# Altium PCB erb-pcb0005.PcbDoc (part 2 of 2)
Units mm, origin at the board's own origin, x right, y up, seen from the top; angles counter-clockwise.
Board outline 100 x 66.5 mm, 4 copper layers (Top Layer, Mid-Layer 1, Mid-Layer 2, Bottom Layer), stack 1.564 mm thick; 134 components, 81 nets, 741 pads, 81 vias.
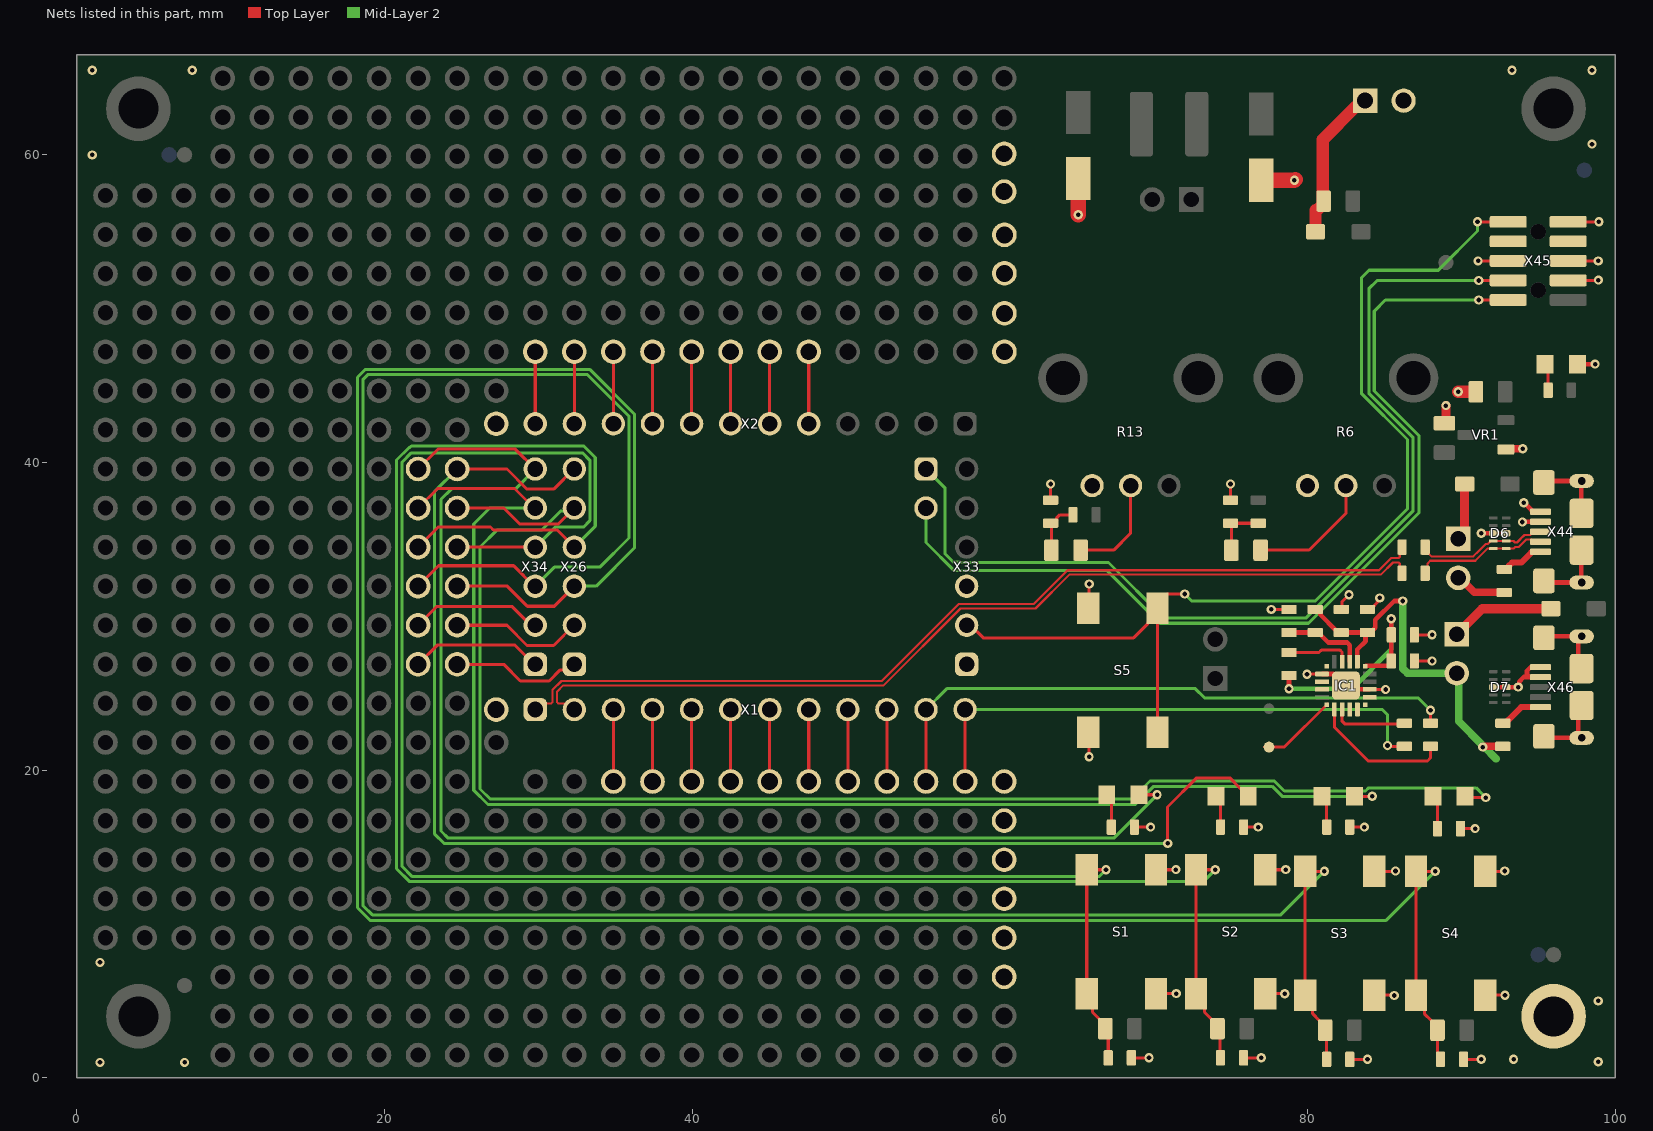
[diagram p4: the nets of this part, all layers, seen from the top]

## Via types
v1: diameter 0.6, hole 0.3, Top Layer to Bottom Layer, 81 vias

## Nets (pads, with @x,y where several pads share a name; then routed paths per layer and width w, separated by ;. In a path a pad name is that pad's centre, name@x,y a point inside that pad or via, vN(x,y) a via of type N, cw(c..) or ccw(c..) an arc to the next point about the centre after c; other vN are vias at no path point) (continued)
GND: C1.2 C2.2 C3.2 C4.2 C5.2 C6.2 C7.2 C8.2 C9.2 C10.2 C11.1 C12.1 C13.1 C14.1 D5.K D6.3 D6.8 D7.3 D7.8 IC1.3 IC1.12 IC1.21 pad.6@96,4 R3.1 R4.1 R6.1 R7.1 R9.1 R13.1 R16.2 S1.3 S1.4 S2.3 S2.4 S3.3 S3.4 S4.3 S4.4 S5.3 S5.4 VR1.1 X33.1 X33.3 X44.4 X44.5 X44.6@95.375,32.3 X44.6@95.375,38.7 X44.6@97.825,32.2 X44.6@97.825,34.3 X44.6@97.825,36.7 X44.6@97.825,38.8 X45.3 X45.5 X45.9 X46.4 X46.5 X46.6@95.375,22.2 X46.6@95.375,28.6 X46.6@97.825,22.1 X46.6@97.825,24.2 X46.6@97.825,26.6 X46.6@97.825,28.7 X47.2 X52.1 X53.1 X54.1 X55.1 X56.1 X57.1 X58.1 X59.1 X60.1 X61.1 X62.1 X63.1 X64.1 X65.1 | length 76
  Top Layer w0.2: C7.2@63.3,37.55 v1(63.3,38.6) ; S5.4@65.8,22.1 65.8,20.874 v1(65.803,20.872) ; S5.3@65.8,30.9 65.8,32.092 v1(65.81,32.102) ; C1.2@68.55,1.3 v1(69.7,1.3) ; R3.1@68.95,16.3 v1(69.8,16.3) ; S1.3@70.15,5.475 71.471,5.475 v1(71.472,5.474) ; S1.4@70.15,13.525 71.435,13.525 v1(71.448,13.538) ; C3.2@75,37.55 v1(75,38.6) ; C2.2@75.85,1.3 v1(77,1.3) ; R4.1@76.05,16.3 v1(76.8,16.3) ; S2.3@77.25,5.475 78.509,5.475 v1(78.517,5.466) ; S2.4@77.25,13.525 78.576,13.525 v1(78.587,13.536) ; v1(77.65,30.45) R16.2@78.8,30.45 ; v1@80.021,26.238 80.025,26.243 IC1.12@80.943,26.243 ; C14.1@82.2,30.45 82.233,30.483 82.233,30.933 v1(82.7,31.4) ; C4.2@82.75,1.2 v1(83.9,1.2) ; R7.1@82.95,16.3 v1(83.7,16.3) ; C13.1@83.9,30.45 84.1,30.45 84.3,30.65 84.3,30.66 84.478,30.838 84.546,30.906 84.546,30.938 84.7,31.092 v1(84.7,31.2) ; IC1.3@84.16,25.24 v1(85.078,25.24) ; S3.3@84.35,5.375 85.615,5.375 v1(85.635,5.354) ; S3.4@84.35,13.425 85.704,13.425 v1(85.723,13.444) ; C11.1@86.95,27.1 v1(88.1,27.1) ; C12.1@86.95,28.8 v1(88.1,28.8) ; R9.1@89.95,16.2 v1(90.9,16.2) ; C8.2@90.15,1.2 v1(91.3,1.2) ; S4.3@91.55,5.375 92.828,5.375 v1(92.841,5.362) ; S4.4@91.55,13.425 92.807,13.425 v1(92.826,13.444) ; X45.3@96.95,51.835 98.89,51.835 v1(98.913,51.858) ; X45.5@96.95,53.105 v1(98.905,53.105) ; X45.9@96.95,55.645 v1(98.945,55.645)
  Top Layer w0.3: IC1.12@80.95,26.25 81.316,26.25 81.317,26.251 81.708,26.251 82.409,25.55 IC1.21@82.55,25.55 ; IC1.21@82.5,25.5 82.749,25.251 83.749,25.251 IC1.3@84.05,25.25 ; v1(91.3,35.4) D6.3@92.915,35.4 ; D7.3@92.07,25.4 D7.3@92.085,25.4 D7.8@92.915,25.4 v1(93.7,25.4) 93.757,25.457 93.757,25.745 94.071,26.059 94.441,26.059 ; v1(93.975,36.133) 93.992,36.15 X44.4@95.125,36.15 ; v1(94.056,37.385) 94.083,37.385 94.6,36.868 94.6,36.85 94.65,36.8 X44.5@95.125,36.8 ; 94.45,26.059 94.441,26.059 ; X46.6@95.15,22.2 95.25,22.1 97.6,22.1 X46.6@97.6,24.2 ; X46.4@95.15,26.05 94.45,26.05 94.441,26.059 ; X46.5@95.15,26.7 94.5,26.7 94.274,26.474 94.274,26.226 94.441,26.059 ; X46.6@95.15,28.6 95.25,28.7 97.6,28.7 X46.6@97.6,26.6 ; X44.6@95.35,32.3 95.45,32.2 97.8,32.2 X44.6@97.8,34.3 ; X44.6@95.35,38.7 95.45,38.8 97.8,38.8 X44.6@97.8,36.7 ; D5.K@97.55,46.4 v1(98.7,46.4)
  Top Layer w0.5: VR1.1@93.138,40.9 v1(94,40.9)
  Top Layer w0.6: C5.2@89,42.55 v1(89,43.7)
  Top Layer w0.8: v1(89.8,44.6) C6.2@90.63,44.6
  Top Layer w1: v1(65.1,56.1) C10.2@65.1,58.45 ; C9.2@77,58.35 v1(79.15,58.35) v1@79.2,58.4
  other v1: 1.5,1 7,1 98.91,1.05 93.4,1.2 98.9,5 1.5,7.5 79.971,26.238 1,60 98.5,60.7 1,65.5 7.5,65.5 93.3,65.5 98.5,65.5
GPIO1: D1.A X34.6 X40.1 | length 86.3
  Top Layer w0.2: X40.1@22.18,39.58 23.472,40.872 28.508,40.872 X34.6@29.8,39.58 ; D1.A@69.05,18.4 v1(70.225,18.4)
  Mid-Layer 2 w0.2: X34.6@29.8,39.58 28.52,38.3 24.365,38.3 23.67,37.605 23.67,16.047 24.137,15.58 67.405,15.58 v1(70.225,18.4)
GPIO2: D2.A X26.6 X32.1 | length 89.5
  Top Layer w0.2: X32.1@24.72,39.58 27.957,39.58 29.267,38.27 30.996,38.27 X26.6@32.323,39.597 ; v1(70.913,15.236) 70.9,15.249 70.9,17.6 72.8,19.5 74.946,19.5 75.646,18.8 75.876,18.8 D2.A@75.976,18.7
  Mid-Layer 2 w0.2: X32.1@24.72,39.58 23.235,38.095 23.235,15.87 23.875,15.23 70.907,15.23 v1(70.913,15.236)
GPIO3: D3.A X34.5 X39.1 | length 91.1
  Top Layer w0.2: X39.1@22.18,37.04 23.456,38.316 28.445,38.316 29.721,37.04 X34.5@29.8,37.04 ; D3.A@83.05,18.3 v1@84.2,18.3
  Mid-Layer 2 w0.2: X34.5@29.8,37.04 26.84,37.04 25.8,36 25.8,18.695 26.725,17.77 68.817,17.77 69.997,18.95 77.703,18.95 78.353,18.3 v1(84.205,18.3)
GPIO4: D4.A X26.5 X31.1 | length 99.3
  Top Layer w0.2: X31.1@24.72,37.04 27.752,37.04 28.792,36 31.3,36 X26.5@32.34,37.04 ; D4.A@90.25,18.3 90.304,18.304 90.469,18.304 90.587,18.187 90.619,18.219 v1(91.596,18.219)
  Mid-Layer 2 w0.2: X26.5@32.34,37.04 32.14,36.84 31.44,36.84 30.2,35.6 27.3,35.6 26.21,34.51 26.21,18.78 26.87,18.12 68.584,18.12 69.764,19.3 77.848,19.3 78.498,18.65 83.777,18.65 83.977,18.85 90.966,18.85 v1@91.416,18.399
GPIO5: C1.1 R1.1 S1.1 S1.2 X34.4 X38.1 | length 112.5
  Top Layer w0.2: X38.1@24.72,34.5 X34.4@29.8,34.5 ; v1(66.9,13.525) S1.2@65.65,13.525 S1.1@65.65,5.475 66.026,5.099 66.026,4.267 66.505,3.788 66.526,3.788 66.9,3.415 66.9,3.2 67.05,3.05 C1.1@67.05,1.3
  Mid-Layer 2 w0.2: X34.4@29.8,34.5 31.1,35.8 32.933,35.8 33.35,36.217 33.35,40.15 32.87,40.63 21.745,40.63 21.13,40.015 21.13,13.745 21.775,13.1 66.475,13.1 v1(66.9,13.525)
GPIO6: C2.1 R2.1 S2.1 S2.2 X26.4 X30.1 | length 125.6
  Top Layer w0.2: X30.1@22.18,34.5 23.483,35.803 26.883,35.803 27.076,35.611 31.229,35.611 X26.4@32.34,34.5 ; v1(74,13.525) S2.2@72.75,13.525 S2.1@72.75,5.475 73.311,4.914 73.311,4.267 R2.1@74.15,3.429 ; R2.1@74.15,3.2 74.318,3.032 74.318,1.332 C2.1@74.35,1.3
  Mid-Layer 2 w0.2: X26.4@32.34,34.5 33.7,35.86 33.7,40.325 32.955,41.07 21.745,41.07 21.655,40.98 21.6,40.98 20.78,40.16 20.78,13.6 21.63,12.75 73.225,12.75 v1(74,13.525)
GPIO7: C4.1 R8.1 S3.1 S3.2 X34.3 X37.1 | length 154.7
  Top Layer w0.2: X37.1@22.18,31.96 23.507,33.287 28.394,33.287 X34.3@29.721,31.96 ; v1(81.1,13.425) S3.2@79.85,13.425 S3.1@79.85,5.375 80.336,4.889 80.336,4.167 80.787,3.716 80.787,3.413 81.25,2.95 C4.1@81.25,1.2
  Mid-Layer 2 w0.2: X34.3@29.8,31.96 31.04,33.2 34,33.2 35.89,35.09 35.89,43.01 33.19,45.71 18.91,45.71 18.59,45.39 18.59,11.205 19.205,10.59 78.265,10.59 v1(81.1,13.425)
GPIO8: C8.1 R14.1 S4.1 S4.2 X26.3 X29.1 | length 162
  Top Layer w0.2: X29.1@24.72,31.96 27.978,31.96 29.281,30.657 31.037,30.657 X26.3@32.34,31.96 ; R14.1@88.076,3.688 87.597,4.167 87.597,4.828 S4.1@87.05,5.375 S4.2@87.05,13.425 v1(88.3,13.425) ; R14.1@88.076,3.688 88.45,3.315 C8.1@88.45,1.2
  Mid-Layer 2 w0.2: X26.3@32.34,31.96 33.76,31.96 36.24,34.44 36.24,43.155 33.335,46.06 19.06,46.06 18.765,46.06 18.24,45.535 18.24,45.24 18.24,11.06 19.06,10.24 85.115,10.24 v1(88.3,13.425)
GPIO9: X34.2 X36.1 | length 8.6
  Top Layer w0.2: X36.1@22.18,29.42 23.41,30.65 28.275,30.65 29.505,29.42 X34.2@29.8,29.42
GPIO10: X26.2 X28.1 | length 8.7
  Top Layer w0.2: X28.1@24.72,29.42 27.957,29.42 29.267,28.11 30.996,28.11 X26.2@32.323,29.437
GPIO11: X34.1 X35.1 | length 8.6
  Top Layer w0.2: X35.1@22.18,26.88 23.45,28.15 28.451,28.15 X34.1@29.721,26.88
GPIO12: X26.1 X27.1 | length 8.5
  Top Layer w0.2: X27.1@24.72,26.88 27.752,26.88 28.832,25.8 30.7,25.8 31.399,26.499 31.959,26.499 X26.1@32.34,26.88
GPIO13: X1.3 X21.1 | length 5.1
  Top Layer w0.2: X21.1@34.88,19.26 X1.3@34.88,24.34
GPIO14: X1.4 X19.1 | length 5.1
  Top Layer w0.2: X19.1@37.42,19.26 X1.4@37.42,24.34
GPIO15: X2.12 X4.1 | length 5.1
  Top Layer w0.2: X2.12@29.8,42.12 X4.1@29.8,47.2
I2C_SCL: X1.5 X17.1 | length 5.1
  Top Layer w0.2: X17.1@39.96,19.26 X1.5@39.96,24.34
I2C_SDA: X1.6 X15.1 | length 5.1
  Top Layer w0.2: X15.1@42.5,19.26 X1.6@42.5,24.34
NC_DBG_CON_2.7: X45.7
NC_DBG_CON_2.8: X45.8
NC_GPIO0_CP2102: IC1.2
NC_GPIO1_CP2102: IC1.1
NC_GPIO2_CP2102: IC1.20
NC_GPIO3_CP2102: IC1.19
NC_nSuspend_CP2102: IC1.11
NC_Suspend_CP2102: IC1.14
NC_Wakeup_CP2102: IC1.13
NetC3_1: C3.1 R5.1 R20.1 | length 3.6
  Top Layer w0.2: R5.1@75.05,34.3 75.05,36 C3.1@75,36.05 R20.1@76.8,36.05
NetC7_1: C7.1 R12.1 R21.1 | length 3.6
  Top Layer w0.2: R12.1@63.35,34.3 63.35,36 C7.1@63.3,36.05 63.5,36.05 63.7,36.25 63.7,36.4 63.9,36.6 R21.1@64.8,36.6
NetD1_K: D1.K R3.2 | length 2.2
  Top Layer w0.2: D1.K@66.95,18.4 67.25,18.1 R3.2@67.25,16.3
NetD2_K: D2.K R4.2 | length 2.1
  Top Layer w0.2: D2.K@74.05,18.3 74.35,18 R4.2@74.35,16.3
NetD3_K: D3.K R7.2 | length 2.1
  Top Layer w0.2: D3.K@80.95,18.3 81.25,18 R7.2@81.25,16.3
NetD4_K: D4.K R9.2 | length 1.8
  Top Layer w0.2: R9.2@88.45,16.2 D4.K@88.45,18.05
NetD5_A: D5.A R10.2 | length 1.8
  Top Layer w0.2: D5.A@95.45,46.4 95.65,46.2 R10.2@95.65,44.7
NetD8_1: D8.1 X43.1 | length 3.6
  Top Layer w0.6: X43.1@89.8,35.04 90.2,35.44 D8.1@90.2,38.5
NetD9_1: D9.1 X66.1 | length 6.4
  Top Layer w0.6: X66.1@89.7,28.84 91.36,30.5 D9.1@95.4,30.5
NetD10_1: D10.1 R24.2 X47.1 | length 9.5
  Top Layer w0.8: 80.518,55.595 80.518,56.4 80.625,56.4 81,56.775 81,61 83.137,63.138 83.363,63.138 X47.1@83.75,63.525
NetL2_1: L2.1 X43.2 | length 3.2
  Top Layer w0.5: X43.2@90.035,32.465 90.035,32.376 90.843,31.568 L2.1@92.768,31.568
NetL2_2: L2.2 X44.1 | length 2.9
  Top Layer w0.3: X44.1@94.55,34.15 95.075,34.15 X44.1@95.125,34.2
  Top Layer w0.4: L2.2@92.768,33.068 92.968,33.068 93.068,33.168 93.068,33.266 93.302,33.5 93.9,33.5 X44.1@94.55,34.15
NetL3_2: L3.2 X46.1 | length 2.5
  Top Layer w0.3: L3.2@92.875,23.075 92.925,23.075 93.05,23.2 L3.2@93.05,23.25
  Top Layer w0.4: L3.2@93.05,23.25 93.9,24.1 X46.1@94.925,24.1
NetR5_2: R5.2 R6.2 | length 8.3
  Top Layer w0.2: R5.2@76.95,34.3 76.958,34.308 80.108,34.308 82.5,36.7 R6.2@82.5,38.5
NetR12_2: R12.2 R13.2 | length 6.8
  Top Layer w0.2: R12.2@65.25,34.3 67.4,34.3 68.5,35.4 R13.2@68.5,38.5
nRESET: S5.1 S5.2 X33.2 X45.10 | length 68.7
  Top Layer w0.2: X33.2@57.74,29.42 58.097,29.42 58.917,28.6 68.7,28.6 69.625,29.525 69.625,29.6 70.175,30.15 S5.1@70.25,30.15 ; S5.2@70.25,22.475 S5.1@70.25,30.15 ; v1(72.027,31.45) 70.875,31.45 70.25,30.825 S5.1@70.25,30.15 ; v1(91.055,55.645) X45.10@93.05,55.645
  Mid-Layer 2 w0.2: v1(72.027,31.45) 72.477,31 80.51,31 86.5,36.99 86.5,41.5 83.5,44.5 83.5,52 84,52.5 88.5,52.5 91.055,55.055 v1(91.055,55.645)
nRST_CP2102: IC1.9 R15.2 | length 4.2
  Top Layer w0.2: R15.2@78.8,27.65 80.75,27.65 80.9,27.8 82.124,27.8 82.241,27.683 IC1.9@82.241,27.059
RTS_CP2102: IC1.16 TP3.1 | length 5.4
  Top Layer w0.2: TP3.1@77.2,21.5 77.269,21.5 77.35,21.581 77.35,21.65 TP3.1@77.515,21.65 ; TP3.1@77.5,21.5 78.5,21.5 IC1.16@81.3,24.3
RXD_CP2102: IC1.17 R18.1 | length 9.1
  Top Layer w0.2: IC1.17@81.76,23.94 81.76,22.784 83.945,20.6 87.8,20.6 88,20.8 R18.1@88,21.55
SPI_CLK: X2.7 X14.1 | length 5.1
  Top Layer w0.2: X2.7@42.5,42.12 X14.1@42.5,47.2
SPI_CS1: X2.8 X12.1 | length 5.1
  Top Layer w0.2: X2.8@39.96,42.12 X12.1@39.96,47.2
SPI_CS2: X2.9 X10.1 | length 5.1
  Top Layer w0.2: X2.9@37.42,42.12 X10.1@37.42,47.2
SPI_CS3: X2.10 X8.1 | length 5.1
  Top Layer w0.2: X2.10@34.88,42.12 X8.1@34.88,47.2
SPI_CS4: X2.11 X6.1 | length 5.1
  Top Layer w0.2: X2.11@32.34,42.12 X6.1@32.34,47.2
SPI_MISO: X2.6 X16.1 | length 5.1
  Top Layer w0.2: X2.6@45.04,42.12 X16.1@45.04,47.2
SPI_MOSI: X2.5 X18.1 | length 5.1
  Top Layer w0.2: X2.5@47.58,42.12 X18.1@47.58,47.2
SWCLK: X25.1 X45.4 | length 66
  Top Layer w0.2: v1(91.135,51.835) X45.4@93.05,51.835
  Mid-Layer 2 w0.2: X25.1@55.2,39.58 56.448,38.332 56.448,34.047 56.955,33.54 57.372,33.54 57.422,33.49 63.795,33.49 63.805,33.5 67.067,33.5 70.667,29.9 79.927,29.9 86.85,36.823 86.85,41.645 83.992,44.503 83.992,51.3 84.527,51.835 v1(91.135,51.835)
SWDIO: X25.2 X45.2 | length 62.8
  Top Layer w0.2: v1(91.135,50.565) X45.2@93.05,50.565
  Mid-Layer 2 w0.2: X25.2@55.2,37.04 55.2,34.8 57.03,32.97 66.985,32.97 70.405,29.55 80.072,29.55 87.25,36.728 87.25,41.74 84.342,44.648 84.342,49.842 85.065,50.565 v1(91.135,50.565)
SWO: X45.6 | length 2.1
  Top Layer w0.2: v1(91.095,53.105) X45.6@93.05,53.105
  Mid-Layer 2 w0.2: v1@91,53 91.095,53.095 v1(91.095,53.105)
TXD_CP2102: IC1.18 R19.1 | length 4.9
  Top Layer w0.2: IC1.18@82.253,23.947 82.253,23.172 82.417,23.008 86.258,23.008 R19.1@86.3,23.05
UART1_CTS: X1.9 X9.1 | length 5.1
  Top Layer w0.2: X9.1@50.12,19.26 X1.9@50.12,24.34
UART1_RTS: X1.10 X7.1 | length 5.1
  Top Layer w0.2: X7.1@52.66,19.26 X1.10@52.66,24.34
UART1_RX: R19.2 X1.12 X3.1 | length 36
  Top Layer w0.2: X3.1@57.74,19.26 X1.12@57.74,23.94 X1.12@57.74,24.34 ; v1(85.2,21.6) 85.25,21.55 R19.2@86.3,21.55
  Mid-Layer 2 w0.2: X1.12@57.74,23.94 84.86,23.94 85.2,23.6 v1@85.2,21.389
UART1_TX: R18.2 X1.11 X5.1 | length 40
  Top Layer w0.2: X5.1@55.2,19.26 X1.11@55.2,23.94 X1.11@55.2,24.34 ; R18.2@88,23.05 v1(88,23.9)
  Mid-Layer 2 w0.2: X1.11@55.2,23.94 56.56,25.3 72.706,25.3 73.316,24.69 87.21,24.69 v1@87.868,24.032 ; X1.11@55.2,24.34 X1.11@55.453,24.593
UART2_RX: X1.8 X11.1 | length 5.1
  Top Layer w0.2: X11.1@47.58,19.26 X1.8@47.58,24.34
UART2_TX: X1.7 X13.1 | length 5.1
  Top Layer w0.2: X13.1@45.04,19.26 X1.7@45.04,24.34
USB_0_D1_N: R22.2 X1.2 | length 60.8
  Top Layer w0.14: X1.2@32.34,24.34 31.297,24.34 31.215,24.422 31.215,25.105 31.62,25.51 52.444,25.51 57.444,30.51 62.32,30.51 64.52,32.71 84.77,32.71 85.565,33.505 85.918,33.505 86,33.423 86,32.95 R22.2@86.15,32.8
USB_0_D1_P: R23.2 X1.1 | length 61.3
  Top Layer w0.14: X1.1@29.8,24.34 30.843,24.34 30.925,24.422 30.925,25.225 31.5,25.8 52.324,25.8 57.324,30.8 62.2,30.8 64.4,33 84.65,33 85.445,33.795 85.918,33.795 86,33.877 86,34.35 R23.2@86.15,34.5
USB_0_D_N: D6.1 D6.10 R22.1 X44.2 | length 8.7
  Top Layer w0.14: R22.1@87.65,32.8 87.8,32.95 87.8,33.423 87.987,33.61 90.905,33.61 91.42,34.125 91.712,34.417 91.888,34.417 91.905,34.4 D6.1@92.915,34.4 93.215,34.4 93.395,34.4 93.506,34.511 93.743,34.511 94.145,34.912 94.145,34.914 94.227,34.996 94.529,34.996 94.675,34.85 X44.2@95.125,34.85
USB_0_D_P: D6.2 D6.9 R23.1 X44.3 | length 8.6
  Top Layer w0.14: R23.1@87.65,34.5 87.8,34.35 87.8,34.153 88.053,33.9 90.785,33.9 91.13,34.245 91.592,34.707 91.712,34.707 91.905,34.9 D6.2@92.915,34.9 93.395,34.9 93.494,34.801 93.623,34.801 93.855,35.032 93.855,35.034 94.106,35.286 94.463,35.286 94.545,35.368 94.545,35.37 94.675,35.5 X44.3@95.125,35.5
VBUS: C13.2 C14.2 IC1.7 L3.1 R17.1 X66.2 | length 25.9
  Top Layer w0.3: R17.1@80.5,30.45 80.7,30.45 80.85,30.3 80.85,30.1 81.85,29.1 82,28.95 C14.2@82.2,28.95 83.776,28.95 C13.2@83.9,28.95 ; IC1.7@83.25,27.054 83.25,27.416 83.246,27.42 83.246,27.846 83.776,28.376 83.776,28.826 C13.2@83.9,28.95 ; v1(86.2,31) 85.63,31 84.416,29.785 84.416,29.266 84.1,28.95 C13.2@83.9,28.95
  Top Layer w0.5: v1(91.4,21.5) 91.427,21.5 91.477,21.55 L3.1@92.7,21.55
  Mid-Layer 2 w0.5: v1(86.2,31) 86.2,26.608 86.508,26.3 89.827,26.3 89.827,23.173 91.381,21.619 91.381,21.546 91.394,21.533 91.433,21.533 91.433,21.494 91.446,21.481 91.519,21.481 92.257,20.743
VBUS_CP2102: IC1.8 R16.1 R17.2 | length 5.4
  Top Layer w0.3: R16.1@78.8,28.95 R17.2@80.5,28.95 80.7,28.95 81.35,28.3 82.58,28.3 82.755,28.124 82.755,27.421 82.75,27.416 IC1.8@82.75,27.055
VDD_CP2102: C11.2 C12.2 IC1.6 R15.1 | length 15.2
  Top Layer w0.3: v1(78.8,25.3) R15.1@78.8,26.15 ; IC1.6@83.8,26.8 85.3,26.8 85.45,26.95 C11.2@85.45,27.1 C12.2@85.45,28.8 v1(85.45,29.85) v1@85.4,29.9
  Mid-Layer 2 w0.3: v1(78.8,25.3) 82.9,25.3 85.45,27.85 v1(85.45,29.85)
pads on no net: D6.4 D6.5 D6.6 D6.7 D7.4 D7.5 D7.6 D7.7 IC1.10 NPN1.0 NPN2.0 NPN3.0 NPN4.0 NPN5.0 NPN6.0 NPN7.0 NPN8.0 R6.NC1 R6.NC2 R13.NC1 R13.NC2 X44.6@97.825,32.2 X44.6@97.825,38.8 X45. X46.6@97.825,22.1 X46.6@97.825,28.7

## Polygon pours and split planes (outlines as drawn)
GND on Bottom Layer "GND_L04_P003" (solid, pour order 3): 0,66.5 100,66.5 100,0 0,0
GND on Mid-Layer 1 "NONET_L01_P-001" (solid, pour order 4): 0,0 0,66.5 100,66.5 100,0
3V3 on Mid-Layer 2 "NONET_L01_P-001" (solid, remove dead copper, pour order 6): 0,0 0,66.5 100,66.5 100,0

## Other copper
Top Layer:
  text ".Layer_Name" at 139.35,65.05 h1.2
  text ".Layer_Name" at 104.914,65.02 h1.2
Mid-Layer 1:
  text ".Layer_Name" at 139.35,65.05 h1.2
  text ".Layer_Name" at 104.91,65.014 h1.2
Mid-Layer 2:
  text ".Layer_Name" at 139.35,65.05 h1.2
  text ".Layer_Name" at 104.91,65.014 h1.2
Bottom Layer:
  text ".Layer_Name" at 139.35,65.05 h1.2
  text ".Layer_Name" at 104.914,65.02 h1.2

## Silkscreen, mask and mechanical layers (free items; w line width, h text height)
Top Overlay:
  circle w0.15: c60.28,62.44 r1.1
  circle w0.15: c60.28,64.98 r1.1
  circle w0.15: c60.28,1.48 r1.1
  circle w0.15: c60.28,4.02 r1.1
  circle w0.15: c24.72,39.58 r1.1
  circle w0.15: c24.72,37.04 r1.1
  circle w0.15: c24.72,34.5 r1.1
  circle w0.15: c24.72,31.96 r1.1
  circle w0.15: c24.72,29.42 r1.1
  circle w0.15: c24.72,26.88 r1.1
  circle w0.15: c32.34,47.2 r1.1
  circle w0.15: c29.8,47.2 r1.1
  circle w0.15: c34.88,47.2 r1.1
  circle w0.15: c37.42,47.2 r1.1
  circle w0.15: c39.96,47.2 r1.1
  circle w0.15: c42.5,47.2 r1.1
  circle w0.15: c45.04,47.2 r1.1
  circle w0.15: c47.58,47.2 r1.1
  circle w0.15: c50.12,47.2 r1.1
  circle w0.15: c52.66,47.2 r1.1
  circle w0.15: c55.2,47.2 r1.1
  circle w0.15: c57.74,47.2 r1.1
  circle w0.15: c47.58,19.26 r1.1
  circle w0.15: c50.12,19.26 r1.1
  circle w0.15: c52.66,19.26 r1.1
  circle w0.15: c55.2,19.26 r1.1
  circle w0.15: c57.74,19.26 r1.1
  circle w0.15: c34.88,19.26 r1.1
  circle w0.15: c37.42,19.26 r1.1
  circle w0.15: c39.96,19.26 r1.1
  circle w0.15: c42.5,19.26 r1.1
  circle w0.15: c45.04,19.26 r1.1
  circle w0.15: c22.18,26.88 r1.1
  circle w0.15: c22.18,29.42 r1.1
  circle w0.15: c22.18,31.96 r1.1
  circle w0.15: c22.18,34.5 r1.1
  circle w0.15: c22.18,37.04 r1.1
  circle w0.15: c22.18,39.58 r1.1
  lines w0.254: 59,5.2 61.6,5.2 61.6,20.8 59,20.8 59,5.2 ; 59,45.7 61.6,45.7 61.6,61.3 59,61.3 59,45.7
  text "3V3A" at 61.818,64.641 h0.8
  text ".Layer_Name" at 139.35,63.05 h1.2
  text ".Layer_Name" at 104.85,63.025 h1.2
  text "3V3" at 62.519,61.477 h0.8 r90
  text "PWR 5V" at 90.425,60.513 h1.5 r90
  text "Variant:" at 156.9,60.2 h1.2
  text "5V" at 81.832,58.576 h1.5
  text "GND" at 85.372,58.558 h1.5
  text "PGM" at 91.226,56.767 h1.5
  text "3V3A" at 69.709,54.675 h0.8
  text "Analog1" at 63.661,52.482 h1.5
  text "Analog0" at 77.57,52.482 h1.5
  text "GND" at 62.85,52.334 h0.8 r90
  text "Git:" at 88.45,48.025 h1
  text ".VersionControl_ProjFolderRevNumberShort" at 91.775,47.95 h1
  text "GP15" at 28.4,45.01 h0.8
  text "SCS3" at 33.414,45.01 h0.8
  text "SCS1" at 38.627,45.01 h0.8
  text "MISO" at 43.64,45.01 h0.8
  text "AI3" at 49.12,45.01 h0.8
  text "AI1" at 54.334,45.01 h0.8
  text "SCS4" at 30.874,43.74 h0.8
  text "SCS2" at 35.954,43.74 h0.8
  text "SCLK" at 41.034,43.74 h0.8
  text "MOSI" at 46.247,43.74 h0.8
  text "AI2" at 51.66,43.74 h0.8
  text "AI0" at 56.74,43.74 h0.8
  text "USB" at 94.91,39.917 h1.5
  text "GP1" at 27.029,39.155 h0.8 r90
  text "GP2" at 28.299,39.022 h0.8 r90
  text "CLK" at 60.05,38.814 h0.8 r90
  text "Boot" at 61.55,38.667 h0.8 r90
  text "5V" at 87.416,38.131 h1.5
  text "USB" at 86.423,36.695 h1.5
  text "IO" at 60.05,36.4 h0.8 r90
  text "GP3" at 27.029,36.228 h0.8 r90
  text "GP4" at 28.299,36.228 h0.8 r90
  text "3V3" at 61.625,35.929 h0.8 r90
  text "3V3A" at 59.167,34.05 h0.8
  text "GP5" at 27.029,33.434 h0.8 r90
  text "GP6" at 28.299,33.434 h0.8 r90
  text "RST" at 66.768,32.109 h1.5
  text "GND" at 59.167,31.55 h0.8
  text "GP7" at 27.029,30.894 h0.8 r90
  text "GP8" at 28.299,30.894 h0.8 r90
  text "Reset" at 59.167,29.05 h0.8
  text "GP9" at 27.029,27.846 h0.8 r90
  text "GP10" at 28.299,27.766 h0.8 r90
  text "VBUS" at 92.783,26.913 h1.5 r90
  text "GND" at 59.167,26.55 h0.8
  text "Boot" at 76.525,26.092 h0.8 r90
  text "GP11" at 27.029,24.598 h0.8 r90
  text "GP12" at 28.299,24.464 h0.8 r90
  text "USBN" at 30.874,21.79 h0.8
  text "GP14" at 36.02,21.79 h0.8
  text "SDA" at 41.434,21.79 h0.8
  text "RX2" at 46.514,21.79 h0.8
  text "CTS1" at 51.433,21.79 h0.8
  text "RX1" at 56.807,21.79 h0.8
  text "USBP" at 28.68,20.58 h0.8
  text "GP13" at 33.48,20.52 h0.8
  text "SCL" at 38.894,20.52 h0.8
  text "TX2" at 43.974,20.52 h0.8
  text "RTS1" at 48.843,20.52 h0.8
  text "TX1" at 54.267,20.52 h0.8
  text "DBG" at 94.241,20.017 h1.5
  text "LED1" at 66.495,19.475 h1.5
  text "LED4" at 87.554,19.475 h1.5
  text "LED2" at 73.507,19.375 h1.5
  text "LED3" at 80.402,19.391 h1.5
  text "B1" at 67.402,13.85 h1.5
  text "B2" at 74.414,13.85 h1.5
  text "B3" at 81.509,13.767 h1.5
  text "B4" at 88.712,13.75 h1.5
  text "GND" at 62.635,11.594 h0.8 r90
  text "2024/11/25" at 96.625,10.59 h0.8 r90
  text "erb-pcb0005" at 95.308,9.566 h0.8 r90
  text "G-Base-1 Rev 0.2" at 94.025,5.825 h0.8 r90
  text "3V3" at 61.734,3.59 h0.8
  text "3V3" at 61.734,1.05 h0.8
Bottom Overlay:
  text ".Layer_Name" at 139.35,63.05 h1.2
  text ".Layer_Name" at 104.85,63.025 h1.2
  text "Variant:" at 156.9,60.2 h1.2
  text "DEV::BLOCK" at 88.8,55.222 h2
  text "Agile Hardware Design" at 88.8,52.576 h2
  text "info@dev-block.com" at 88.906,49.9 h2
  text "Design Files" at 89.8,21.576 h2
  text "https://github.com/DEV-BLOCK-IO/" at 89.8,19.576 h2
  text "Documentation:" at 89.8,10.22 h2
  text "www.dev-block.com/docs" at 89.8,8.222 h2
Top Paste:
  text ".Layer_Name" at 139.35,61.05 h1.2
  text ".Layer_Name" at 104.85,61.025 h1.2
Bottom Paste:
  text ".Layer_Name" at 139.35,61.05 h1.2
  text ".Layer_Name" at 104.85,61.025 h1.2
Top Solder:
  text ".Layer_Name" at 139.35,59.05 h1.2
  text ".Layer_Name" at 104.85,59.025 h1.2
Bottom Solder:
  text ".Layer_Name" at 139.35,59.1 h1.2
  text ".Layer_Name" at 104.85,59.075 h1.2
Mechanical 1:
  lines w0.05: 62.075,45.515 62.075,45.515 ; 62.075,45.515 62.075,45.515
  lines w0.254: 99.96,0 0,0 0,66.5 8,66.5 99.96,66.5 99.96,2.2
  text ".Layer_Name" at 139.35,57.35 h1.2
  text ".Layer_Name" at 104.85,57.325 h1.2
Mechanical 2:
  lines w0.05: 62.075,21.42 62.075,21.42 ; 62.075,21.42 62.075,21.42 ; 62.075,21.42 62.075,21.42
  lines w0.1: 62.075,45.515 62.075,45.515
  text ".Layer_Name" at 139.35,55.834 h1.2
  text ".Layer_Name" at 104.85,55.809 h1.2
  text "all dimensions in mm" at 35.463,-7.16 h1.52
Top Assembly:
  text ".Layer_Name" at 104.85,54.325 h1.2
  text ".Layer_Name" at 139.35,54.35 h1.2
Drill Drawing:
  circle w0.254: c106.717,-0.751 r0.536
  lines w0.254: 106.181,2.199 107.254,2.199 106.717,1.127 106.181,2.199 ; 106.181,3.54 107.254,3.54 107.254,4.613 106.181,4.613 106.181,3.54 ; 106.181,5.954 106.181,6.222 106.449,6.49 106.181,6.759 106.181,7.027 106.449,7.027 106.717,6.759 106.986,7.027 107.254,7.027 107.254,6.759 106.986,6.49 107.254,6.222 107.254,5.954 106.986,5.954 106.717,6.222 106.449,5.954 106.181,5.954 ; 106.181,8.636 106.449,8.636 106.717,8.368 106.986,8.636 107.254,8.636 106.986,8.904 107.254,9.172 106.986,9.172 106.717,9.441 106.449,9.172 106.181,9.172 106.449,8.904 106.181,8.636 ; 106.181,10.781 106.717,11.05 107.254,10.781 106.986,11.318 107.254,11.854 106.717,11.586 106.181,11.854 106.449,11.318 106.181,10.781 ; 106.181,13.732 106.717,13.195 107.254,13.732 106.717,14.268 106.181,13.732 ; 106.181,15.877 106.449,15.877 106.449,15.609 106.986,15.609 106.986,15.877 107.254,15.877 107.254,16.414 106.986,16.414 106.986,16.682 106.449,16.682 106.449,16.414 106.181,16.414 106.181,15.877
  lines w0.381: 104.836,27.976 111.981,27.976 127.975,27.976 142.778,27.976 154.007,27.976 163.875,27.976 ; 104.836,30.019 111.981,30.019 127.975,30.019 142.778,30.019 154.007,30.019 163.875,30.019 ; 104.836,32.062 111.981,32.062 127.975,32.062 142.778,32.062 154.007,32.062 163.875,32.062 ; 104.836,34.104 111.981,34.104 127.975,34.104 142.778,34.104 154.007,34.104 163.875,34.104 ; 104.836,36.147 111.981,36.147 127.975,36.147 142.778,36.147 154.007,36.147 163.875,36.147 ; 104.836,38.19 111.981,38.19 127.975,38.19 142.778,38.19 154.007,38.19 163.875,38.19 ; 104.836,40.232 111.981,40.232 127.975,40.232 142.778,40.232 154.007,40.232 163.875,40.232 ; 104.836,42.275 111.981,42.275 127.975,42.275 142.778,42.275 154.007,42.275 163.875,42.275 ; 104.836,44.318 111.981,44.318 127.975,44.318 142.778,44.318 154.007,44.318 163.875,44.318 ; 104.836,46.36 111.981,46.36 127.975,46.36 142.778,46.36 154.007,46.36 163.875,46.36 ; 104.836,48.403 163.875,48.403 ; 105.19,-2.011 268.135,-2.011 ; 105.19,17.299 268.135,17.299 ; 111.981,50.446 111.981,25.934 ; 114.352,-4.425 114.352,19.712 ; 124.191,-4.425 124.191,19.712 ; 127.975,50.446 127.975,25.934 ; 142.778,50.446 142.778,25.934 ; 142.877,-4.425 142.877,19.712 ; 151.315,-4.425 151.315,19.712 ; 154.007,50.446 154.007,25.934 ; 163.421,-4.425 163.421,19.712 ; 187.737,-4.425 187.737,19.712 ; 197.527,-4.425 197.527,19.712 ; 209.826,-4.425 209.826,19.712 ; 227.547,-4.425 227.547,19.712 ; 245.267,-4.425 245.267,19.712 ; 111.981,25.934 104.836,25.934 104.836,50.446 163.875,50.446 163.875,25.934 154.007,25.934 ; 111.981,25.934 127.975,25.934 ; 127.975,25.934 142.778,25.934 ; 142.778,25.934 154.007,25.934 ; 105.19,-4.425 268.135,-4.425 268.135,19.712 105.19,19.712 105.19,-4.425
  text "PCB File:" at 156.9,64.2 h1.2
  text ".Pcb_File_Name_No_Path" at 170.4,64.2 h1.2
  text "Print Date:" at 156.9,62.2 h1.2
  text ".Print_Date" at 170.4,62.2 h1.2
  text "Variant:" at 156.9,60.2 h1.2
  text ".VariantName" at 170.4,60.2 h1.2
  text "Layer" at 106.111,48.914 h1.02
  text "Name" at 113.257,48.914 h1.02
  text "Material" at 129.25,48.914 h1.02
  text "Thickness" at 144.053,48.914 h1.02
  text "Constant" at 155.282,48.914 h1.02
  text "Top Overlay" at 113.257,46.871 h1.02
  text "Top Solder" at 113.257,44.828 h1.02
  text "Solder Resist" at 129.25,44.828 h1.02
  text "0.010mm" at 144.053,44.828 h1.02
  text "3.5" at 155.282,44.828 h1.02
  text "1" at 106.111,42.786 h1.02
  text "Top Layer" at 113.257,42.786 h1.02
  text "0.035mm" at 144.053,42.786 h1.02
  text "Dielectric 1" at 113.257,40.743 h1.02
  text "FR-4" at 129.25,40.743 h1.02
  text "0.099mm" at 144.053,40.743 h1.02
  text "4.8" at 155.282,40.743 h1.02
  text "2" at 106.111,38.7 h1.02
  text "Mid-Layer 1" at 113.257,38.7 h1.02
  text "0.015mm" at 144.053,38.7 h1.02
  text "Dielectric3" at 113.257,36.658 h1.02
  text "FR-4" at 129.25,36.658 h1.02
  text "1.265mm" at 144.053,36.658 h1.02
  text "4.8" at 155.282,36.658 h1.02
  text "3" at 106.111,34.615 h1.02
  text "Mid-Layer 2" at 113.257,34.615 h1.02
  text "0.015mm" at 144.053,34.615 h1.02
  text "Dielectric2" at 113.257,32.572 h1.02
  text "FR-4" at 129.25,32.572 h1.02
  text "0.099mm" at 144.053,32.572 h1.02
  text "4.8" at 155.282,32.572 h1.02
  text "4" at 106.111,30.53 h1.02
  text "Bottom Layer" at 113.257,30.53 h1.02
  text "0.035mm" at 144.053,30.53 h1.02
  text "Bottom Solder" at 113.257,28.487 h1.02
  text "Solder Resist" at 129.25,28.487 h1.02
  text "0.010mm" at 144.053,28.487 h1.02
  text "3.5" at 155.282,28.487 h1.02
  text "Bottom Overlay" at 113.257,26.444 h1.02
  text "Symbol" at 106.638,18.023 h1.16
  text "Count" at 115.076,18.023 h1.16
  text "Hole Size" at 124.915,18.023 h1.16
  text "Plated" at 143.601,18.023 h1.16
  text "Hole Type" at 152.039,18.023 h1.16
  text "Drill Layer Pair" at 164.145,18.023 h1.16
  text "Via/Pad" at 188.461,18.023 h1.16
  text "Pad Shape" at 198.251,18.023 h1.16
  text "Template" at 210.55,18.023 h1.16
  text "Hole Length" at 228.271,18.023 h1.16
  text "Routed Path Length" at 245.992,18.023 h1.16
  text "2" at 115.076,15.609 h0.97
  text "1.050mm (41.34mil)" at 124.915,15.609 h0.97
  text "PTH" at 143.601,15.609 h0.97
  text "Round" at 152.039,15.609 h0.97
  text "Top Layer - Bottom Layer" at 164.145,15.609 h0.97
  text "Pad" at 188.461,15.609 h0.97
  text "(Mixed)" at 198.251,15.609 h0.97
  text "(Mixed)" at 210.55,15.609 h0.97
  text "-" at 228.271,15.609 h0.97
  text "-" at 245.992,15.609 h0.97
  text "4" at 115.076,13.195 h0.97
  text "0.500mm (19.69mil)" at 124.915,13.195 h0.97
  text "PTH" at 143.601,13.195 h0.97
  text "Slot" at 152.039,13.195 h0.97
  text "Top Layer - Bottom Layer" at 164.145,13.195 h0.97
  text "Pad" at 188.461,13.195 h0.97
  text "Rounded" at 198.251,13.195 h0.97
  text "r160_90h50_120r45" at 210.55,13.195 h0.97
  text "1.200mm (47.24mil)" at 228.271,13.195 h0.97
  text "0.700mm (27.56mil)" at 245.992,13.195 h0.97
  text "4" at 115.076,10.781 h0.97
  text "2.200mm (86.61mil)" at 124.915,10.781 h0.97
  text "PTH" at 143.601,10.781 h0.97
  text "Round" at 152.039,10.781 h0.97
  text "Top Layer - Bottom Layer" at 164.145,10.781 h0.97
  text "Pad" at 188.461,10.781 h0.97
  text "Rounded" at 198.251,10.781 h0.97
  text "c322h220" at 210.55,10.781 h0.97
  text "-" at 228.271,10.781 h0.97
  text "-" at 245.992,10.781 h0.97
  text "4" at 115.076,8.368 h0.97
  text "2.600mm (102.36mil)" at 124.915,8.368 h0.97
  text "PTH" at 143.601,8.368 h0.97
  text "Round" at 152.039,8.368 h0.97
  text "Top Layer - Bottom Layer" at 164.145,8.368 h0.97
  text "Pad" at 188.461,8.368 h0.97
  text "Rounded" at 198.251,8.368 h0.97
  text "c420h260" at 210.55,8.368 h0.97
  text "-" at 228.271,8.368 h0.97
  text "-" at 245.992,8.368 h0.97
  text "46" at 115.076,5.954 h0.97
  text "1.020mm (40.16mil)" at 124.915,5.954 h0.97
  text "PTH" at 143.601,5.954 h0.97
  text "Round" at 152.039,5.954 h0.97
  text "Top Layer - Bottom Layer" at 164.145,5.954 h0.97
  text "Pad" at 188.461,5.954 h0.97
  text "(Mixed)" at 198.251,5.954 h0.97
  text "(Mixed)" at 210.55,5.954 h0.97
  text "-" at 228.271,5.954 h0.97
  text "-" at 245.992,5.954 h0.97
  text "52" at 115.076,3.54 h0.97
  text "1.100mm (43.31mil)" at 124.915,3.54 h0.97
  text "PTH" at 143.601,3.54 h0.97
  text "Round" at 152.039,3.54 h0.97
  text "Top Layer - Bottom Layer" at 164.145,3.54 h0.97
  text "Pad" at 188.461,3.54 h0.97
  text "Rounded" at 198.251,3.54 h0.97
  text "c160h110" at 210.55,3.54 h0.97
  text "-" at 228.271,3.54 h0.97
  text "-" at 245.992,3.54 h0.97
  text "81" at 115.076,1.127 h0.97
  text "0.300mm (11.81mil)" at 124.915,1.127 h0.97
  text "PTH" at 143.601,1.127 h0.97
  text "Round" at 152.039,1.127 h0.97
  text "Top Layer - Bottom Layer" at 164.145,1.127 h0.97
  text "Via" at 188.461,1.127 h0.97
  text "Rounded" at 198.251,1.127 h0.97
  text "v60h30" at 210.55,1.127 h0.97
  text "-" at 228.271,1.127 h0.97
  text "-" at 245.992,1.127 h0.97
  text "431" at 115.076,-1.287 h0.97
  text "1.000mm (39.37mil)" at 124.915,-1.287 h0.97
  text "PTH" at 143.601,-1.287 h0.97
  text "Round" at 152.039,-1.287 h0.97
  text "Top Layer - Bottom Layer" at 164.145,-1.287 h0.97
  text "Pad" at 188.461,-1.287 h0.97
  text "(Mixed)" at 198.251,-1.287 h0.97
  text "(Mixed)" at 210.55,-1.287 h0.97
  text "-" at 228.271,-1.287 h0.97
  text "-" at 245.992,-1.287 h0.97
  text "624 Total" at 115.076,-3.701 h0.97
  text "Slot definitions :" at 106.638,-6.22 h0.97
  text "Routed Path Length" at 123.516,-6.22 h0.97
  text "= Calculated from tool start centre position to tool end centre position." at 141.521,-6.22 h0.97
  text "Hole Length" at 123.516,-8.015 h0.97
  text "= Routed Path Length + Tool Size = Slot length as defined in the PCB layout" at 134.925,-8.015 h0.97

## Dimensions
0,0 to 0,66.5 on Mechanical 2
0,0 to 100,-1 on Mechanical 2

## Text inside footprints (layer, text, board x,y; h text height)
D1: Top Overlay "+" at 70.55,18.1 h0.76 r90
D2: Top Overlay "+" at 77.65,18 h0.76 r90
D3: Top Overlay "+" at 84.55,18 h0.76 r90
D4: Top Overlay "+" at 91.75,18 h0.76 r90
D5: Top Overlay "+" at 93.95,46.7 h0.76 r270
LF: Top Layer "TOP1" at 98.8,7.1 h1.2 r90; Mid-Layer 1 "2" at 98.8,11.6 h1.2 r90; Bottom Layer "BOT4" at 98.8,19 h1.2 r90; Mid-Layer 2 "3" at 98.8,13.1 h1.2 r90